# Altium PCB PCB4.PcbDoc (continued)
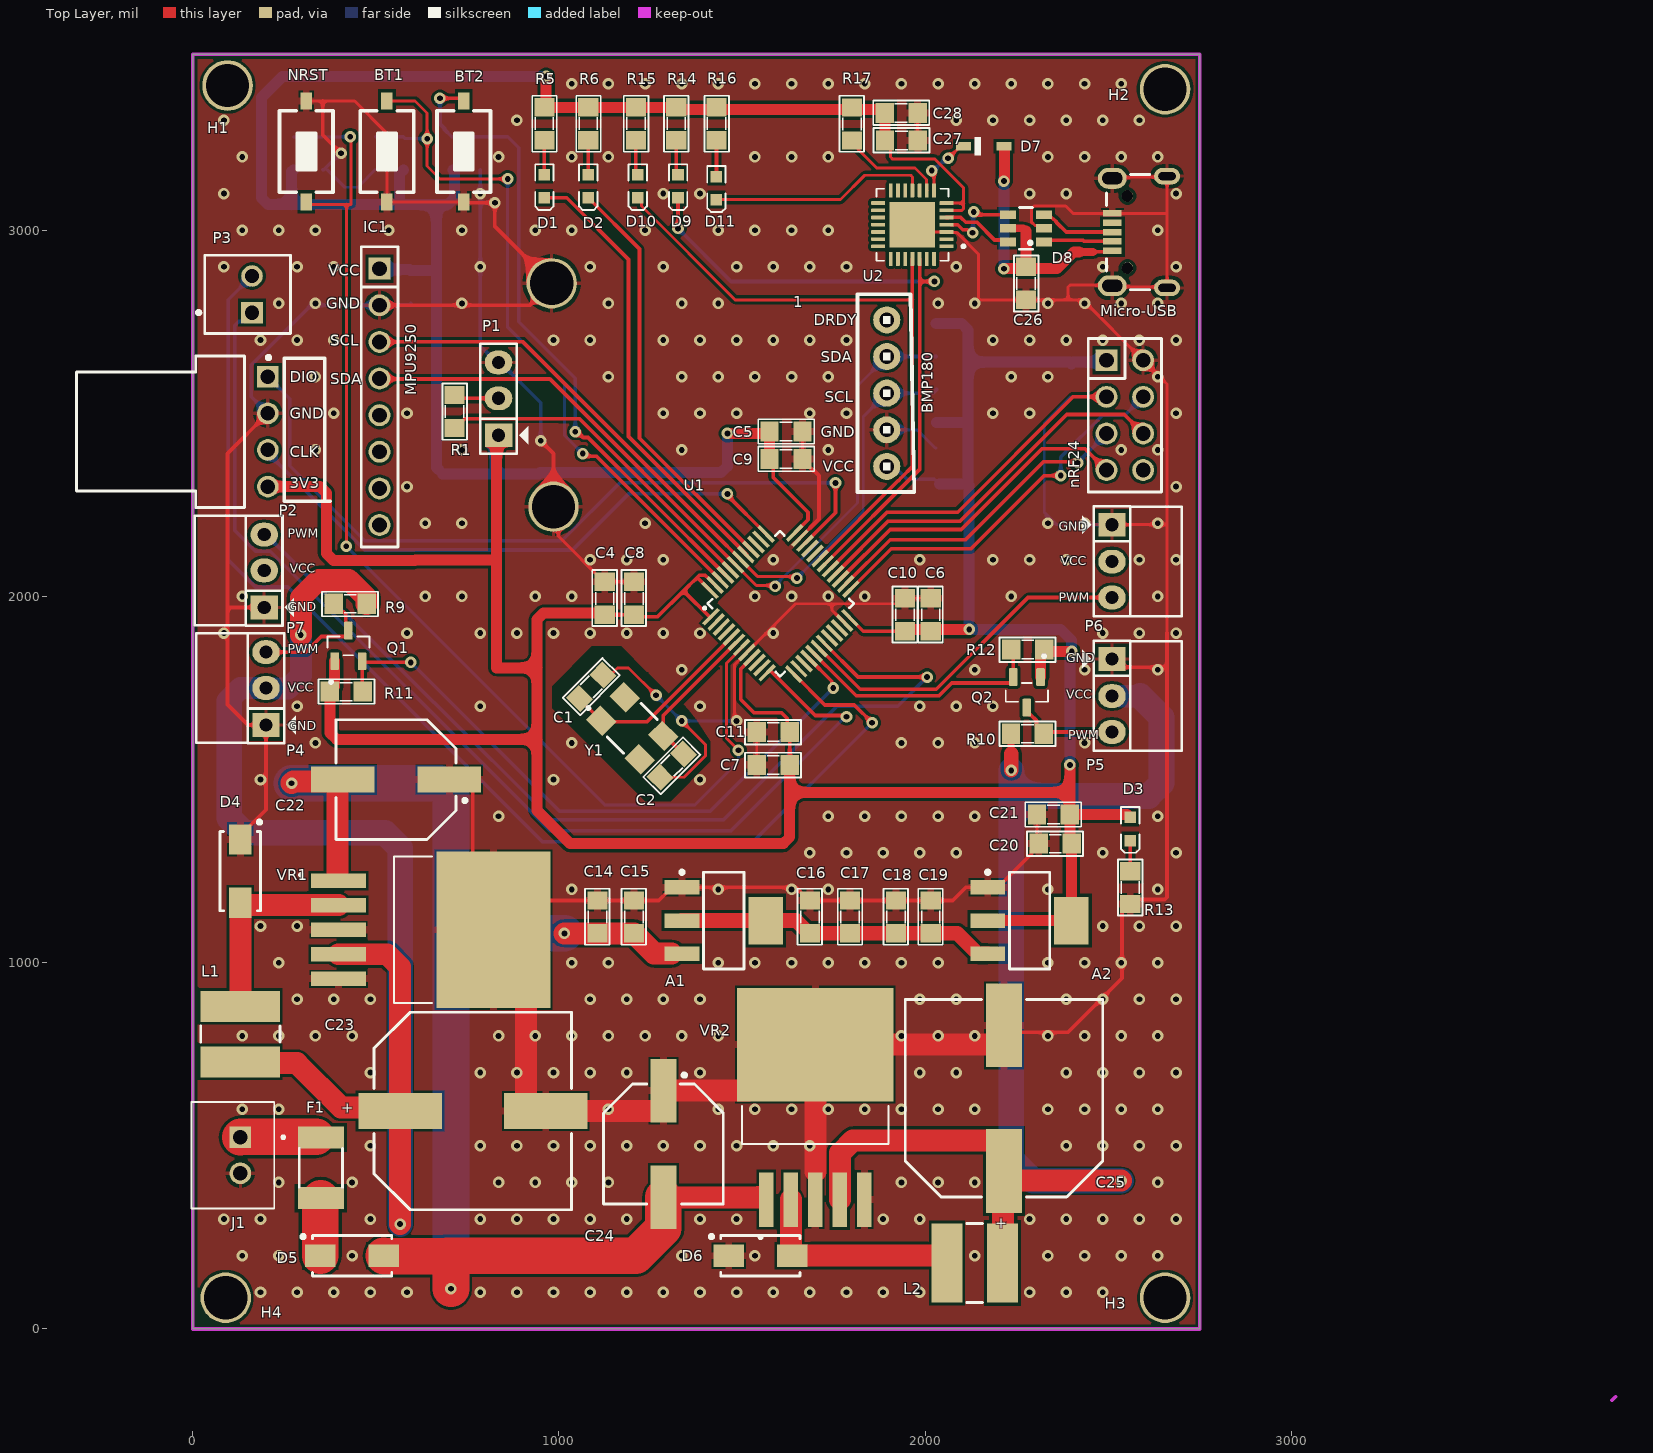
[diagram p0: Top Layer view]
## Part data
1: "HMC5883L HMC Magnetic, Digital Compass Sensor Evaluation Board", Package="LCC-16 Honeywell", Availability=Unavailable, MF="Honeywell Aerospace", MP=HMC5883L, Price=None, SnapEDA_Link=https://www.snapeda.com/parts/HMC5883L/Honeywell%20Aerospace/view-part/106081/?ref=snap
A1 A2: "Available in 1.8V, 2.5V, 2.85V, 3.3V, 5V, and  Adjustable Versions"
BT1 BT2 NRST: "Switch button 2 pin"
C1 C2 C3 C4 C5 C6 C7 C8 C9 C10 C11 C12 C13 C14 C15 C16 C17 C18 C19 C20 C21 C26 C27 C28 C29 C30 C31: "Capacitor"
C22 C24: "Polarized Capacitor (Radial)"
C23 C25: library part 865080462016, "WCAP-ASLI Aluminum Electrolytic Capacitor, V-Chip, D12.5 x H14mm, 1000uF, 25V", Capacitance Tolerance=+/-20%, Leakage Current=250uA, Manufacturer="Wurth Elektronik", Operating Temperature Max=105°C, Operating Temperature Min=-55°C, Rated Voltage (DC)=25V, Ripple Current=1100mA, Capacitance=1000uF, Category="Aluminum Electrolytic Capacitors", ComponentLink1Description="Website Link", ComponentLink1URL=https://www.we-online.com/redexpert/article/865080462016?ad, ComponentLink2Description="Datasheet Link", ComponentLink2URL=https://www.we-online.com/redexpert/spec/865080462016?ad, Diameter=12.5mm, Dissipation Factor=14%, Endurance=5000h, Height=14mm, Manufacturer Part Number=865080462016, Match Code=WCAP-ASLI, Mount="Surface Mount", Packaging="Tape and Reel", Technical Reference=ASEH140102M025DVCTGE000
D1 D2 D3 D9 D10 D11: "LED"
D4 D5 D6: "Schottky Diode", Code_JEDEC=DO-214-AA, LatestRevisionDate=17-Jul-2002, LatestRevisionNote="Re-released for DXP Platform.", PackageDescription="DO-214-AA/SMB; 2 C-Bend Leads; Body 5.3 x 3.6 mm, inc. leads (LxW)", PackageReference=SMB, Published=8-Jun-2000, Publisher="Altium Limited"
D7: "Diode Standard 75V 300mA (DC) Surface Mount SOD-323", Package="SOD-323FL-2 ON Semiconductor", Availability="In Stock", MF="ON Semiconductor", MP=1N4148WS, Price=None, Purchase-URL=https://pricing.snapeda.com/search/part/1N4148WS/?ref=eda
D8: library part 824001, "WE-TVS TVS Diode - High Speed Series, SOT23-6L, 4+1Channel, 5Vdc", Channel Input Capacitance=1pF, DC Operating Voltage=5V, Manufacturer="Wurth Elektronik", Operating Temperature="-40 to +125degC", Reverse Breakdown Voltage min.=6.2V, Reverse Channel Leakage Current=5uA, Reverse Peak Pulse Current=5A, Channel=4+1, ComponentLink1Description=Manufacturer, ComponentLink1URL=http://www.we-online.de, ComponentLink2Description=Datasheet, ComponentLink2URL=https://www.we-online.com/catalog/datasheet/824001.pdf, Manufacturer Part Number=824001, Mounting Technology=SMT, Packaging="Tape and Reel", Published Date="April 2020", Size=SOT23-6L
H1 H2 H3 H4: "Hole 3mm"
IC1: library part "IMU MPU6050", "GY-521 6DOF IMU MPU6050 / TECHMT.VN", WEB=TECHMT.VN
J1: "Connector Header Through Hole 2 position 0.098 (2.50mm)", Package=None, Availability="In Stock", MF="JST Sales", MP=B2B-XH-A(LF)(SN), Price=None, Purchase-URL=https://pricing.snapeda.com/search/part/B2B-XH-A(LF)(SN)/?ref=eda
L1 L2: library part 784774033, "WE-PD2A SMT Power Inductor, size 5848, 3.3uH, 3.7A", DC Resistance max.=0.06Ohm, DC Resistance typ.=0.042Ohm, Inductance=3.3uH, Manufacturer="Wurth Elektronik", Operating Temperature="-40 to +125degC", Rated Current=3.7A, Rated Voltage=80VDC, Saturation Current=7.5A, Self Resonant Frequency=43MHz, ComponentLink1Description=Manufacturer, ComponentLink1URL=http://www.we-online.de, ComponentLink2Description=Datasheet, ComponentLink2URL=https://www.we-online.com/catalog/datasheet/784774033.pdf, Manufacturer Part Number=784774033, Mounting Technology=SMT, Packaging="Tape and Reel", Published Date="May 2020", Size=5848
Micro-USB: "Micro USB 2.0 Type B Receptacle WR-COM, Horizontal, SMT, with Pegs, High Current at Pin 1 & Pin 5", Contact Resistance="30 mOhm", Operating Temperature="-40 to 85 degC", Rated Current="3 A", Working Voltage="30 VAC", ComponentLink1Description=Manufacturer, ComponentLink1URL=http://www.we-online.de, ComponentLink2Description=Datasheet, ComponentLink2URL=https://katalog.we-online.de/em/datasheet/629105150521.pdf, Connector Type="Micro USB 2.0 Type B", Gender=Receptacle, Mounting Technology=SMT, Orientation=Horizontal, Packaging="Tape and Reel", Part Number=629105150521, Published Date="September 2018", Publisher="Wurth Elektronik"
P1: "Header, 3-Pin", LatestRevisionDate=17-Jul-2002, LatestRevisionNote="Re-released for DXP Platform.", Publisher="Altium Limited"
P2: "WR-WTB THT Male Left Angled Bottom Locking Header, pitch 2.54mm, 4p", Contact Resistance=20mOhm, Operating Temperature="-40 to +105degC", Rated Current=3A, Withstanding Voltage=1000VAC, Working Voltage=250VAC, ComponentLink1Description=Manufacturer, ComponentLink1URL=http://www.we-online.de, ComponentLink2Description=Datasheet, ComponentLink2URL=https://www.we-online.com/catalog/datasheet/61900411021.pdf, Gender=Male, Mounting Technology=THT, Packaging=Bag, Part Number=61900411021, Pin Number=4, Pitch=2.54mm, Published Date="January 2020", Publisher="Wurth Elektronik", Type="Right Angled Bottom Locking"
P3: "WR-WTB THT Male Vertical Locking Header, pitch 2.54mm, 2p", Contact Resistance=20mOhm, Operating Temperature="-40 to +105degC", Rated Current=3A, Withstanding Voltage=1000VAC, Working Voltage=250VAC, ComponentLink1Description=Manufacturer, ComponentLink1URL=http://www.we-online.de, ComponentLink2Description=Datasheet, ComponentLink2URL=https://www.we-online.com/catalog/datasheet/61900211121.pdf, Gender=Male, Mounting Technology=THT, Packaging=Bag, Part Number=61900211121, Pin Number=2, Pitch=2.54mm, Published Date="January 2020", Publisher="Wurth Elektronik", Type=Vertical
P4 P5 P6 P7: "Header, 3-Pin, Right Angle", LatestRevisionDate=17-Jul-2002, LatestRevisionNote="Re-released for DXP Platform.", Publisher="Altium Limited"
Q1 Q2: "N-Channel 60V 280mA (Ta) 350mW (Ta) Surface Mount SOT-23-3 (TO-236)", Package=None, Availability=Unavailable, MP=altium_native_batch, Price=None
R1 R2 R3 R4 R5 R6 R7 R8 R9 R10 R11 R12 R13 R14 R15 R16 R17: "Resistor"
U1: "ARM Microcontrollers - MCU 32BIT Cortex M3 64KB 20KB RAM 2X12 ADC", Manufacturer=STMicroelectronics, Maximum Clock Frequency="72 MHz", Maximum Operating Temperature="+ 85 C", Minimum Operating Temperature="- 40 C", Package / Case=LQFP-48, Supply Voltage - Max="3.6 V", Supply Voltage - Min="2 V", ADC Resolution="12 bit", ComponentLink1Description=Datasheet, ComponentLink1URL=https://www.mouser.vn/datasheet/2/389/stm32f103c8-1851025.pdf, Core="ARM Cortex M3", Data Bus Width="32 bit", Data RAM Size="20 kB", Data RAM Type=SRAM, Interface Type="CAN, I2C, SPI, USART, USB", Length="7 mm", Mounting Style=SMD/SMT, Number of ADC Channels="10 Channel", Number of I/Os="37 I/O", Number of Timers/Counters="3 Timer", Processor Series="ARM Cortex M", Product Category="ARM Microcontrollers - MCU", Program Memory Size="64 kB", Series=STM32F103C8
U2: "CP2102N USB 2.0 to UART (RS232) Bridge Interface Evaluation Board", Package="WFQFN-20 Silicon Labs", Availability="In Stock", Check_prices=https://www.snapeda.com/parts/CP2102/Silicon+Labs/view-part/?ref=eda, MF="Silicon Labs", MP=CP2102, Price=None, Purchase-URL=https://pricing.snapeda.com/search/part/CP2102/?ref=eda, SnapEDA_Link=https://www.snapeda.com/parts/CP2102/Silicon+Labs/view-part/?ref=snap
VR1 VR2: library part LM2596S-5.0, "SIMPLE SWITCHER&reg; 4.5V to 40V, 3A Low Component Count Step-Down Regulator", Package="TO-263-5 Texas Instruments", Availability="In Stock", Check_prices=https://www.snapeda.com/parts/LM2596S-5.0/NOPB/Texas+Instruments/view-part/?ref=eda, MF="Texas Instruments", MP=LM2596S-5.0/NOPB, Price=None, Purchase-URL=https://pricing.snapeda.com/search/part/LM2596S-5.0/NOPB/?ref=eda, SnapEDA_Link=https://www.snapeda.com/parts/LM2596S-5.0/NOPB/Texas+Instruments/view-part/?ref=snap
Y1: library part 830106162701, "WE-XTAL Quartz Crystal, SMT, CFPX-104, 8MHz, +/-20ppm", Frequency Stability=+/-30ppm, Frequency Tolerance=+/-20ppm, Load Capacitance=16pF, Manufacturer="Wurth Elektronik", Operating Temperature="-40 to +85degC", ComponentLink1Description=Manufacturer, ComponentLink1URL=http://www.we-online.de, ComponentLink2Description=Datasheet, ComponentLink2URL=https://www.we-online.com/catalog/datasheet/830106162701.pdf, Frequency=8MHz, Manufacturer Part Number=830106162701, Mounting Technology=SMT, Packaging="Tape and Reel", Published Date="November 2020", Size=CFPX-104

## Via types
v1: diameter 31.5, hole 15.75, Top Layer to Bottom Layer, tented both sides, 400 vias

## Nets (pads, with @x,y where several pads share a name; then routed paths per layer and width w, separated by ;. In a path a pad name is that pad's centre, name@x,y a point inside that pad or via, vN(x,y) a via of type N, cw(c..) or ccw(c..) an arc to the next point about the centre after c; other vN are vias at no path point)
D_N: D8.6 U2.5 | length 195.5
  Top Layer w10: U2.5 2062.74,3034.69 2063.06,3035 2097.15,3035 2110.77,3021.38 2141.19,3021.38 2189.13,2973.43 2219.95,2973.43 D8.6
D_P: D8.4 U2.4 | length 222.2
  Top Layer w10: U2.4@2071.34,3015 2088.86,3015 2102.49,3001.38 2114.74,3001.38 2123.37,2992.76 v1(2129.18,2992.76) ; v1(2132.27,3050) 2138.09,3050 2145.69,3042.4 D8.4
  Bottom Layer w10: v1(2129.18,2992.76) 2130.73,2994.3 2130.73,3048.45 v1(2132.27,3050)
GND: 1.2 A1.1 A2.1 BT1.1 BT2.1 C1.1 C2.1 C3.1 C4.1 C5.1 C6.1 C7.1 C8.1 C9.1 C10.1 C11.1 C12.1 C13.1 C14.1 C15.1 C16.1 C17.1 C18.1 C19.1 C20.1 C21.1 C22.1 C23.2 C24.1 C25.2 C26.1 C27.1 C28.1 C29.1 C30.1 C31.1 D4.1 D6.1 D8.2 IC1.2 J1.2 Micro-USB.5 Micro-USB.Shell nRF24.8 NRST.1 P1.3 P2.2 P4.1 P5.1 P6.1 P7.1 R13.2 U1.8 U1.23 U1.35 U2.3 U2.29 VR1.3 VR1.5 VR1.6 VR2.3 VR2.5 VR2.6 | length 17262.6
  Top Layer w8: NRST.1 355,3352.8 442.2,3352.8 530,3265 BT1.1 BT2.1 ; IC1.2@985,2245 998.4,2231.6 998.4,2164.1 1122.5,2040 C4.1 ; C1.1 1140,1785 1160,1805 1190,1805 v1(1265,1730) ; C2.1 1278.13,1504.59 1307.83,1504.59 1309.59,1506.36 1341.36,1506.36 1400,1565 1400,1595 v1(1335,1660) ; v1(1485,1660) 1485,1666.36 1479.25,1672.11 1479.25,1813.57 1645.68,1980 1745,1980 ; C7.1 C11.1 ; C5.1@1655,2445 C5.1@1665,2455 ; C9.1 C5.1 ; U1.23 1745,1962.99 1745,1980 ; U2.29 1984.69,2995.31 U2.3 2059.43,2994.2 2085.8,2994.2 2145,2935 2145,2814.69 2149.69,2810 C26.1 2390,2810 ; C28.1 1979.2,3245.8 C27.1 ; C6.1 C10.1 1930,1980 1745,1980 ; C21.1 2305,1330 C20.1 ; D8.2 2316.4,3012.81 2299.69,3012.81 2290.69,3021.81 2290.69,3059.13 2297.64,3066.09 2383.49,3066.09 2403.39,3046.18 Micro-USB.5 2657.72,3046.18 ; P5.1 2515,1829 P5.1@2528.6,1842.6 ; P6.1 2659,2196 2660,2195 ; Micro-USB.Shell@2510.83,3141.65 2513.78,3144.61 2657.48,3144.61 2660.43,3147.56 2660.43,2842.44 2657.48,2845.39 2513.78,2845.39 2510.83,2848.35 2509.17,2850 2395,2850 2390,2845 2390,2810 ; 2660,1900 2660,2195 ; 2390,2810 2430,2810 nRF24.8 2660,2580 2660,2195
  Top Layer w10: D4.1 130,1347.44 200,1417.44 P4.1 151,1649 95,1705 95,1963.24 ; P7.1 101.76,1970 95,1963.24 ; P2.2 95,2390 95,1963.24 ; 355,3352.8 355,3260 v1(405,3210) ; IC1.2@505,2795 510,2795 920,2795 980,2855 825,3010 v1(825,3075) 742.2,3075 BT2.1 ; C22.1 734.57,1500 765,1469.57 765,1146.26 VR1.6 901.26,1170 C14.1 C15.1 1272.72,1170 1308.27,1205.55 A1.1 1646.95,1205.55 1682.5,1170 C16.1 C17.1 C18.1 C19.1 2075,1170 2110.55,1205.55 A2.1 2198.39,1205.55 2290,1297.17 2290,1305 C20.1 ; v1(950,2425) 985,2390 IC1.2@985,2245 ; C4.1 C8.1 ; U1.35 1710,2211.36 1710,2330 1697.5,2342.5 1695,2342.5 1665,2372.5 C9.1 ; C25.2 2233.82,810 2390,810 2537.5,957.5 2537.5,1140 2557.5,1160 R13.2 2572.5,1172.5 2654.14,1172.5 2660,1178.36 2660,1807.05 ; P5.1@2528.6,1842.6 2528.6,1820.95 2542.5,1807.05 2660,1807.05 ; 2660,1900 2660,1807.05
  Top Layer w60: VR1.6 910,1001.26 910,614.21 929.21,595 C23.2 1279.57,595 1285,600.43 C24.1 1516.14,650.67 1641.73,776.26 VR2.6 ; 1700,430 VR2.6 ; C25.2 2215,795.47 2195.79,776.26 VR2.6
  Bottom Layer w8: C3.1@365,3165 367.5,3165 415.12,3117.38 451.44,3117.38 476.5,3142.44 476.5,3144 497.5,3165 C13.1 ; v1(1265,1730) v1(1335,1660) v1(1485,1660) ; 1.2 1977.5,2455 2027.5,2405 C31.1 ; C30.1 2397.5,2545 2325,2472.5 2325,2230 2359,2196 P6.1
  Bottom Layer w10: P2.2 160,2545 160,2632.26 322.74,2795 510,2795 590,2795 C29.1 ; C3.1 357.5,3165 402.5,3210 v1(405,3210) ; C12.1 785,3075 ; v1(825,3075) 785,3075 ; v1(950,2425) 950,2529 840,2639 P1.3 830,2639 785,2684 785,3075
  other v1: 185,100 285,100 385,100 485,100 585,100 785,100 885,100 985,100 1085,100 1185,100 1285,100 1385,100 1485,100 1585,100 1685,100 1785,100 1885,100 1985,100 2285,100 2385,100 2485,100 135,200 235,200 435,200 1335,200 1535,200 2135,200 2335,200 2435,200 2535,200 2635,200 85,300 185,300 485,300 785,300 885,300 985,300 1085,300 1185,300 1385,300 1485,300 1885,300 1985,300 2285,300 2385,300 2485,300 2585,300 2685,300 235,400 435,400 835,400 935,400 1035,400 1135,400 1935,400 2035,400 2135,400 2635,400 485,500 785,500 885,500 985,500 1085,500 1185,500 1285,500 1385,500 1485,500 1585,500 1685,500 2385,500 2485,500 2585,500 2685,500 135,600 235,600 1135,600 1435,600 1535,600 1635,600 1735,600 1835,600 1935,600 2035,600 2135,600 2335,600 2435,600 2535,600 2635,600 485,700 785,700 885,700 985,700 1085,700 1185,700 1385,700 1985,700 2085,700 2385,700 2485,700 2585,700 2685,700 135,800 235,800 335,800 435,800 835,800 935,800 1035,800 1135,800 1235,800 1335,800 1435,800 1935,800 2035,800 2135,800 2335,800 2435,800 2535,800 2635,800 285,900 385,900 485,900 1085,900 1185,900 1285,900 1385,900 1985,900 2085,900 2385,900 2485,900 2585,900 2685,900 235,1000 1035,1000 1135,1000 1435,1000 1535,1000 1635,1000 1735,1000 1835,1000 1935,1000 2035,1000 2335,1000 2435,1000 2535,1000 2635,1000 185,1100 285,1100 2485,1100 2585,1100 2685,1100 1035,1200 1435,1200 1635,1200 1735,1200 2335,1200 2635,1200 1685,1300 1785,1300 1885,1300 1985,1300 2085,1300 2485,1300 2685,1300 835,1400 1735,1400 1835,1400 1935,1400 2035,1400 2135,1400 2635,1400 185,1500 985,1500 1385,1500 335,1600 1035,1600 1935,1600 2035,1600 2135,1600 2435,1600 285,1700 785,1700 1385,1700 1985,1700 2085,1700 2185,1700 1335,1800 2135,1800 2435,1800 2635,1800 85,1900 585,1900 785,1900 885,1900 985,1900 1085,1900 1185,1900 1285,1900 1385,1900 1585,1900 2485,1900 2585,1900 2685,1900 135,2000 635,2000 735,2000 935,2000 1035,2000 1535,2000 1635,2000 1735,2000 1835,2000 2235,2000 2635,2000 1085,2100 1185,2100 1285,2100 1585,2100 1985,2100 2185,2100 2285,2100 2385,2100 2585,2100 2685,2100 635,2200 735,2200 1235,2200 2335,2200 2435,2200 2635,2200 585,2300 2685,2300 335,2400 735,2400 1335,2400 1735,2400 2535,2400 2635,2400 385,2500 585,2500 1285,2500 1385,2500 1485,2500 1685,2500 1785,2500 2185,2500 2285,2500 2685,2500 335,2600 1135,2600 1335,2600 1435,2600 1535,2600 1635,2600 1735,2600 2235,2600 2335,2600 2635,2600 185,2700 285,2700 385,2700 985,2700 1085,2700 1285,2700 1385,2700 1485,2700 1585,2700 1685,2700 1785,2700 2185,2700 2285,2700 2385,2700 2485,2700 2585,2700 2685,2700 235,2800 335,2800 735,2800 1135,2800 1335,2800 1435,2800 2035,2800 2135,2800 2335,2800 2435,2800 2535,2800 2635,2800 85,2900 285,2900 385,2900 785,2900 1085,2900 1285,2900 1485,2900 1585,2900 1685,2900 1785,2900 2085,2900 2485,2900 2685,2900 135,3000 235,3000 335,3000 535,3000 735,3000 935,3000 1035,3000 1235,3000 1435,3000 1535,3000 1635,3000 1735,3000 2635,3000 85,3100 785,3100 1285,3100 1385,3100 2285,3100 2385,3100 2685,3100 135,3200 835,3200 1035,3200 1135,3200 1535,3200 1635,3200 1735,3200 2335,3200 2435,3200 2535,3200 2635,3200 85,3300 885,3300 2085,3300 2185,3300 2285,3300 2385,3300 2485,3300 2585,3300 1035,3400 1135,3400 1235,3400 1335,3400 1435,3400 1535,3400 1635,3400 1735,3400 1835,3400 1935,3400 2035,3400 2135,3400 2235,3400 2335,3400 2435,3400 2535,3400
LIPO_3S: F1.1 J1.1 | length 207.5
  Top Layer w100: J1.1 131.57,525 F1.1@336.81,525
Net1_3: 1.3 IC1.3 R4.2 U1.42 | length 2153.2
  Top Layer w8: U1.42 1541.63,2055 1604.06,2055 1604.57,2054.5 1645.31,2054.5 v1(1649.57,2050.23)
  Top Layer w10: IC1.3 901.63,2695 1424.5,2172.13 U1.42
  Bottom Layer w8: v1(1649.57,2050.23) 1830.87,2231.54 1830.87,2490.87 1.3
  Bottom Layer w10: 1.3 2021,2555 R4.2
Net1_4: 1.4 IC1.4 R3.2 U1.43 | length 2204.1
  Top Layer w8: U1.43 1538.79,2030 1587.38,2030 v1(1590,2027.38)
  Top Layer w10: IC1.4 511.37,2593.63 975.17,2593.63 U1.43
  Bottom Layer w8: v1(1590,2027.38) 1590,2030 1815,2255 1815,2575 1.4
  Bottom Layer w10: 1.4 R3.2
NetC1_2: C1.2 U1.5 Y1.1 | length 537.6
  Top Layer w10: C1.2 1056.36,1719.61 Y1.1 1117.88,1658.1 1240.26,1658.1 U1.5
NetC2_2: C2.2 U1.6 Y1.3 | length 416.5
  Top Layer w10: C2.2 1290.88,1619.12 Y1.3 1284.91,1651.02 1282.12,1653.81 1284.91,1656.59 1284.91,1674.91 1384.37,1774.37 U1.6
NetC3_2: C3.2 NRST.2 R2.2 U1.7 | length 3154.8
  Top Layer w8: NRST.2 316.61,3070.59 420,3070.59 ; v1(419.37,2136.87) 420,2137.5 420,3070.59 ; v1(430,3255) 432.62,3252.38 432.62,3070.59 420,3070.59 ; v1(1490,1580) 1457.38,1612.62 1457.38,1817.68 1498.92,1859.22 U1.7
  Bottom Layer w8: R2.2 v1(430,3255) ; v1(419.37,2136.87) 1126.24,1430 1370,1430 1490,1550 v1(1490,1580)
NetC12_2: BT2.2 C12.2 R7.2 U1.45 | length 1795.1
  Top Layer w10: v1(675,3360) 732.8,3360 BT2.2 ; v1(1044.53,2449.53) 1050.35,2449.53 1066.1,2433.78 1079.33,2433.78 1254.44,2258.68 U1.45
  Bottom Layer w10: v1(675,3360) 675,3290 687.5,3277.5 687.5,3275 707.5,3255 R7.2 C12.2 ; C12.2@787.5,3255 C12.2 ; v1(1044.53,2449.53) 1044.53,2595.47 890,2750 890,3225 860,3255 C12.2
NetC13_2: BT1.2 C13.2 R8.2 U1.46 | length 1998.5
  Top Layer w8: BT1.2 607.2,3352.8 640,3320 v1(640,3250) 640,3175 675,3140 v1(860,3140)
  Top Layer w10: v1(1065,2390) 1072.65,2382.35 1102.93,2382.35 U1.46
  Bottom Layer w8: R8.2 580,3250 v1(640,3250) ; v1(860,3140) 860,2735 1015,2580 1015,2440 v1(1065,2390)
  Bottom Layer w10: C13.2 R8.2
NetD1_1: D1.1 R5.1 | length 74.5
  Top Layer w10: D1.1 R5.1@960,3225 ; R5.1@960,3245 R5.1
NetD1_2: D1.2 U1.41 | length 1240.9
  Top Layer w10: D1.2 1021.5,3088.5 1190,2920 1190,2436.59 1512.17,2114.41 U1.41
NetD2_1: D2.1 R6.1 | length 94.5
  Top Layer w10: D2.1 R6.1
NetD2_2: D2.2 U1.40 | length 1144.1
  Top Layer w10: D2.2 1220,2948.5 1220,2432.31 U1.40
NetD3_2: D3.2 R13.1 | length 83.5
  Top Layer w10: R13.1 D3.2
NetD4_2: D4.2 L1.1 VR1.2 | length 550.8
  Top Layer w60: L1.1 D4.2@130,1157.44 ; D4.2 D4.2@130,1157.44 ; VR1.2 130.51,1156.93 D4.2@130,1157.44
NetD5_1: D5.1 F1.2 | length 158
  Top Layer w100: D5.1 348.39,355.71 F1.2
NetD6_2: D6.2 L2.1 VR2.2 | length 591.7
  Top Layer w60: VR2.2 1633.07,200.51 1633.58,200 D6.2 2046.89,200 2059.21,187.68 L2.1
NetD8_1: D8.1 Micro-USB.2 | length 182.7
  Top Layer w10: D8.1@2331.02,2969.41 2334.49,2972.87 2431.55,2972.87 2435.01,2969.41 Micro-USB.2
NetD8_3: D8.3 Micro-USB.3 | length 208.3
  Top Layer w10: D8.3@2321.68,3040 2326.09,3035.59 2344.41,3035.59 2350.31,3029.69 2351.2,3029.69 2358.74,3022.14 2358.74,3021.26 2385,2995 Micro-USB.3
NetD9_1: D9.1 R14.1 | length 75.6
  Top Layer w10: R14.1@1320,3225 1320,3156.5 D9.1
NetD10_1: D10.1 R15.1 | length 96.6
  Top Layer w10: R15.1 1210,3156.5 D10.1
NetD11_1: D11.1 R16.1 | length 99.5
  Top Layer w10: D11.1 R16.1
NetM1_2: nRF24.2 U1.29 | length 948.4
  Top Layer w10: U1.29 1871.43,2205.75 1895.68,2230 2088.56,2230 2403.56,2545 nRF24.2
NetM1_3: nRF24.3 U1.26 | length 885.5
  Top Layer w10: U1.26 1904.19,2155 2110,2155 2322.87,2367.87 2413.22,2367.87 v1(2416.09,2365)
  Bottom Layer w10: v1(2416.09,2365) 2416.09,2365.55 2495,2444.45 nRF24.3
NetM1_4: nRF24.4 U1.27 | length 897.2
  Top Layer w10: U1.27 1904.23,2182.87 2098.15,2182.87 2318.15,2402.87 2437.13,2402.87 nRF24.4
NetM1_6: nRF24.6 U1.28 | length 1041.6
  Top Layer w10: U1.28 1898.52,2205 2095,2205 2386.6,2496.6 2543.4,2496.6 nRF24.6
NetM1_7: nRF24.7 U1.25 | length 1045.4
  Top Layer w10: U1.25 1907.03,2130 2125,2130 2325,2330 v1(2370,2330)
  Bottom Layer w10: v1(2370,2330) 2370,2380.52 2484.48,2495 2545,2495 nRF24.7
NetP1_2: P1.2 R1.2 | length 123.7
  Top Layer w10: R1.2 724,2541 P1.2
NetP2_1: P2.1 U1.34 | length 2107.6
  Top Layer w10: U1.34 1755,2228.52 v1(1755,2310)
  Bottom Layer w10: P2.1 265,2540 265,2357 469.79,2152.2 1007.85,2152.2 1165.64,2310 v1(1755,2310)
NetP2_3: P2.3 U1.37 | length 1590.1
  Top Layer w10: v1(1460,2280) 1460,2275.82 U1.37
  Bottom Layer w10: P2.3 205,2391.72 469.85,2126.87 1036.87,2126.87 1190,2280 v1(1460,2280)
NetP3_1: P3.1 U1.12 | length 3032.3
  Top Layer w10: U1.12 1575.79,1798.76 1576.24,1798.76 1700,1675 1781.38,1675 v1(1785,1671.38)
  Bottom Layer w10: P3.1 137.58,2750.77 125.77,2750.77 115,2740 115,2179.83 171.21,2123.63 211.54,2123.63 975.17,1360 1470,1360 1781.38,1671.38 v1(1785,1671.38)
NetP3_2: P3.2 U1.13 | length 3282.9
  Top Layer w10: U1.13 1725.98,1703.62 1806.38,1703.62 v1(1855,1655)
  Bottom Layer w10: P3.2 97.13,2810.31 97.13,2099.71 171.21,2025.63 259.37,2025.63 955,1330 1530,1330 v1(1855,1655)
NetP4_3: P4.3 Q1.3 R9.1 | length 349
  Top Layer w10: P4.3 308.63,1848 351.11,1890.47 418.19,1890.47 425,1897.28 Q1.3 418.19,1913.54 418.19,1951.64 412.33,1957.5 405,1957.5 385,1977.5 R9.1
NetP5_3: P5.3 Q2.3 R10.1 | length 275.3
  Top Layer w10: Q2.3 2277.4,1684.13 2284.21,1677.32 2287.68,1677.32 2304,1661 2304,1647.5 2321.5,1630 P5.3
NetP6_3: P6.3 U1.18 | length 949.6
  Top Layer w10: U1.18 1756.79,1812 1822.28,1746.51 2030.07,1746.51 2280.56,1997 P6.3
NetP7_3: P7.3 U1.19 | length 2613
  Top Layer w10: U1.19 1816.63,1780 v1(2005,1780)
  Bottom Layer w10: P7.3 200,2169 659,1710 660,1710 980,1390 1449.14,1390 1759.14,1700 1925,1700 v1(2005,1780)
NetQ1_2: Q1.2 R11.1 U1.16 | length 1808.9
  Top Layer w10: R11.1 462.4,1741.6 Q1.2 465.67,1820 v1(595,1820) ; R11.1@465,1730 475,1740 R11.1@469.8,1745.2 ; U1.16 1744.52,1768.6 1744.52,1754.11 v1(1748.63,1750)
  Bottom Layer w10: v1(595,1820) 1001.87,1413.13 1411.76,1413.13 v1(1748.63,1750)
NetQ2_2: Q2.2 R12.1 U1.17 | length 716
  Top Layer w10: U1.17 1696.58,1843.93 1716.21,1824.29 1716.21,1823.79 1745.87,1794.13 1811.36,1728.64 2037.48,1728.64 2072.58,1763.74 2233.19,1763.74 2240,1770.55 Q2.2 2240,1850 R12.1 R12.1@2249.25,1869.25
NetR1_1: R1.1 U1.44 | length 934.8
  Top Layer w10: R1.1 717.5,2460 742.87,2485.37 999.63,2485.37 1000,2485 1055.95,2485 1272.31,2268.64 U1.44
NetU1_20: U1.20
NSUSPEND: D11.2 U2.11 | length 601.5
  Top Layer w8: D11.2 1768.5,3083.5 1835,3150 1960.31,3150 1965,3145.31 U2.11
RESET: R17.2 U2.9 | length 271.5
  Top Layer w8: R17.2@1802.5,3235 1867.5,3170 1971.87,3170 2003.25,3138.62 2003.25,3109.43 U2.9
RXD: D10.2 U1.31 U2.25 | length 1795.4
  Top Layer w8: D10.2 1224.95,3078.55 1224.95,3065.99 1480.94,2810 1965,2810
  Top Layer w10: U1.31 1925.67,2315.67 ccw(c1895,2355) 1934.33,2324.33 1965,2355 1965,2810 U2.25
SERVO1_5V: C23.1 L1.2 P4.2 R9.2 VR1.4 | length 3904.2
  Top Layer w60: L1.2 133.54,725.67 284.33,725.67 405.26,604.74 556.44,604.74 C23.1 ; v1(295,1895) 295,1996.06 344.31,2045.37 360.13,2045.37 425.69,2045.37 475,1996.06 R9.2 ; VR1.4 531.03,1023.07 566.18,987.92 C23.1 ; v1(566.18,286.18) C23.1
  Bottom Layer w60: 95,1714.85 130.15,1750 P4.2@206.35,1750 ; P4.2 200.96,1749.04 209.49,1749.04 210.15,1748.39 259.85,1748.39 295,1783.54 v1(295,1895)
  Bottom Layer w70: 100,1709.85 100,1395 140,1355 525.18,1355 566.18,1313.99 v1(566.18,286.18)
SERVO2_5V: C25.1 L2.2 P5.2 R10.2 VR2.4 | length 3493.3
  Top Layer w8: R10.2 R10.2@2235,1624
  Top Layer w20: R10.2 2234,1571 2235,1570
  Top Layer w40: v1(2235,1525) 2235,1570
  Top Layer w60: VR2.4 1767.87,353.98 1767.87,479.85 1803.02,515 2195.79,515 2215,495.79 C25.1 C25.1@2215,424.21 ; L2.2 2212.89,182.11 2212.89,419.07 2215,421.18 C25.1@2215,424.21 ; v1(2535,405) 2234.21,405 C25.1@2215,424.21
  Bottom Layer w60: P5.2 2587,1728
  Bottom Layer w70: v1(2235,1525) 2235,1455 ; v1(2535,405) 2293.58,405 2235,463.58 2235,1455 ; 2587,1728 2645,1670 2645,1490.15 2609.85,1455 2235,1455
TXD: D9.2 U1.30 U2.26 | length 1822.9
  Top Layer w10: v1(1325,3005) D9.2 ; U1.30 1984.69,2346.85 1984.69,2860 ; U2.26 1984.69,2860 ; v1(2025,2860) 1984.69,2860
  Bottom Layer w10: v1(1325,3005) 1470,2860 v1(2025,2860)
UART_5V: D7.C U2.8 | length 171.5
  Top Layer w8: v1(2017.97,3162.97) 2017.97,3156.61 2024.06,3150.52 U2.8 ; v1(2062.45,3196.61) 2063.48,3196.61 2096.02,3229.15 D7.C
  Bottom Layer w8: v1(2017.97,3162.97) 2023.39,3162.97 2057.03,3196.61 v1(2062.45,3196.61)
USB_5V: C26.2 D7.A D8.5 Micro-USB.1 | length 820.1
  Top Layer w10: D7.A 2215.86,3228.41 D7.A@2215.86,3218.31 ; C26.2@2260,2895 2270,2905 C26.2 C26.2@2280,2895 ; 2460.63,2940.63 2460.94,2940.94 2507.95,2940.94 Micro-USB.1
  Top Layer w20: D8.5 2267.97,3005 2275,2997.97 ; 2420,2940.63 2460.63,2940.63
  Top Layer w30: v1(2215,2895) C26.2@2260,2895 ; v1(2215,3134.15) 2215,3134.56 2215.86,3135.42 D7.A@2215.86,3218.31 ; C26.2 2275,2997.97 ; C26.2@2280,2895 2360,2895 2405.63,2940.63 2420,2940.63
  Bottom Layer w30: v1(2215,2895) v1(2215,3134.15) v1@2215,3145
VCC_3V3: 1.1 A2.2 A2.4 C4.2 C5.2 C6.2 C7.2 C8.2 C9.2 C10.2 C11.2 C20.2 C21.2 C27.2 C28.2 C29.2 C30.2 C31.2 D3.1 IC1.1 nRF24.1 P1.1 P2.4 Q1.1 Q2.1 R2.1 R3.1 R4.1 R5.2 R6.2 R7.1 R8.1 R11.2 R12.2 R14.2 R15.2 R16.2 R17.1 U1.1 U1.9 U1.24 U1.36 U1.47 U1.48 U2.6 U2.7 | length 15008.9
  Top Layer w8: C27.2 1905,3230 1905,3199.69 1909.69,3195 2025,3195 2105,3115 2105,3074.06 ; U2.6 2100.31,3054.37 2105,3059.06 2105,3074.06 ; U2.7 2105,3074.06
  Top Layer w10: R11.2 R11.2@387.6,1753.6 ; R5.2 R5.2@961,3335 ; C4.2 C8.2 1210,1945 1270,1945 1340,2015 ; R14.2@1319,3335 R14.2 R14.2@1326,3330 ; U1.48 1379.6,2050 1375,2050 ; U1.1 1413.13,1942.32 1412.68,1942.32 1340,2015 ; R16.2@1424,3330 R16.2 R16.2@1436,3330 ; U1.47 1409.42,2048.02 1408.97,2048.02 1398.77,2058.22 1383.22,2058.22 1375,2050 ; U1.9 1526.76,1832.8 1496.12,1802.16 1496.12,1718.88 1532.5,1682.5 1607.5,1682.5 1623.36,1666.64 1623.36,1636.64 C11.2 C7.2 ; C9.2 1585,2365 1585,2325 1680,2230 1680,2209.19 U1.36 ; U1.24 1830.82,1905 C10.2 ; R17.1@1795,3330 R17.1 ; R12.2@2314.8,1844.8 R12.2 R12.2@2330,1850 ; D3.1@2551.5,1405 D3.1 ; 1340,2015 1375,2050
  Top Layer w30: P2.4 347.43,2300 365,2282.43 365,2117.57 384.33,2098.25 606.29,2098.25 608.04,2100 830,2100 ; R11.2 375,1739 375,1627.57 392.57,1610 940,1610 ; R11.2@387.6,1753.6 Q1.1 ; P1.1 830,2435 830,2100 ; R5.2 964.71,3340.71 964.71,3419.71 v1(965,3420) ; R5.2@961,3335 R14.2@1319,3335 ; C4.2 1120,1955 957.57,1955 940,1937.43 940,1805 ; R14.2@1326,3330 R16.2@1424,3330 ; R16.2@1436,3330 R17.1@1795,3330 ; v1(1460,2445) 1460.29,2445.29 1565,2445.29 1572.26,2452.54 C5.2@1572.26,2457.55 ; C9.2 C5.2 ; C7.2 1630,1465 ; R17.1 1805,3330 1879.53,3330 1889.6,3319.93 1889.6,3245.4 C27.2 ; C10.2 1949.71,1909.71 2119.71,1909.71 v1(2120,1910) ; A2.2 A2.4 C20.2@2399.17,1324.17 ; Q2.1 R12.2@2314.8,1844.8 ; R12.2@2330,1850 v1(2400,1850) ; C20.2@2395,1330 C21.2 ; v1(2395,1540) 2395,1465 ; D3.1@2551.5,1405 C21.2 ; 830,2100 830,1805 940,1805 ; 940,1610 940,1805 ; 940,1610 940,1415 1030,1325 1612.43,1325 1630,1342.57 1630,1465 ; 1630,1465 2395,1465 ; C21.2 2395,1465
  Bottom Layer w10: 1.1 1912.32,2355 1929.09,2338.23 1931.77,2338.23 1950,2320 2025,2320 C31.2 C31.2@2038.56,2306.44
  Bottom Layer w30: R2.1 270,3160 270,3070 ; IC1.1 512.5,2892.5 592.5,2892.5 C29.2 657.43,2890 661.21,2886.21 ; 565,3082.57 565,3155 R8.1 ; R7.1 715,3160 715,3087.57 697.43,3070 665,3070 ; P1.1 825,2430 825,2352.57 842.57,2335 ; v1(965,3420) 245,3420 187.43,3362.43 187.43,3087.57 205,3070 270,3070 ; v1@1460,2440 1460,2355.45 1442.43,2337.87 948.09,2337.87 945.22,2335 842.57,2335 ; R3.1 2099.65,2745 2117.22,2727.43 2117.22,2640 ; R4.1 2115.44,2475 2117.22,2473.22 ; C31.2@2038.56,2306.44 2117.22,2306.44 ; v1(2395,1540) 2395,1844.6 2400,1849.6 2400,1880 2370,1910 v1(2120,1910) 2120,2303.66 2117.22,2306.44 ; nRF24.1 2490,2640 2405,2640 C30.2 2395,2640 2117.22,2640 ; 270,3070 665,3070 ; 665,3070 665,2352.57 682.57,2335 842.57,2335 ; 2117.22,2306.44 2117.22,2473.22 ; 2117.22,2473.22 2117.22,2640
VCC_5V: A1.2 A1.4 A2.3 C16.2 C17.2 C18.2 C19.2 | length 872.5
  Top Layer w40: A1.2 A1.4 1647.5,1115 1682.5,1080 C16.2 C17.2 C18.2 C19.2 2087.72,1080 2143.27,1024.45 A2.3
VCC_12V: A1.3 C14.2 C15.2 C22.2 C24.2 D5.2 VR1.1 VR2.1 | length 4098.2
  Top Layer w10: A1.3@1307.72,1025 1308.27,1024.45 A1.3
  Top Layer w60: v1(270,1490) 274.57,1494.57 403.9,1494.57 C22.2 ; 395,1250 C22.2@395,1494.57 ; 695,200 705,190 ; v1(1015,1080) C14.2 C15.2 1260,1025 A1.3@1307.72,1025 ; C24.2 1544.33,359.33 1545,360
  Top Layer w100: D5.2 523.31,198.31 693.31,198.31 695,200 1210,200 1285,275 C24.2 ; v1(705,110) 705,190
  Bottom Layer w100: v1(270,1490) 675,1490 705,1460 705,1021.42 ; v1(705,110) 705,1021.42 ; v1(1015,1080) 763.58,1080 705,1021.42
pads on no net: 1.5 H1.1 H2.1 H3.1 H4.1 IC1.5 IC1.6 IC1.7 IC1.8 Micro-USB.4 Micro-USB.MH1 Micro-USB.MH2 nRF24.5 P6.2 P7.2 U1.2 U1.3 U1.4 U1.10 U1.11 U1.14 U1.15 U1.21 U1.22 U1.32 U1.33 U1.38 U1.39 U2.1 U2.2 U2.10 U2.12 U2.13 U2.14 U2.15 U2.16 U2.17 U2.18 U2.19 U2.20 U2.21 U2.22 U2.23 U2.24 U2.27 U2.28 Y1.2 Y1.4

## Polygon pours and split planes (outlines as drawn)
no net on Keep-Out Layer (none): 0,0 2750,0 2750,3480 0,3480
GND on Bottom Layer (solid, remove dead copper, pour order 3): 0,0 2750,0 2750,3480 0,3480
GND on Top Layer (solid, remove dead copper, pour order 2): 0,0 2750,0 2750,3480 0,3480

## Keep-outs
Keep-Out Layer:
  lines w10: 3875,-195 3885,-185 ; 0,0 0,3480 2750,3480 2750,0 0,0

## Other copper
Top Layer:
  pour cut-out: 1405,1840 1300,1735 1245,1790 1245,1795 1240,1795 1170,1865 1090,1865 980,1755 980,1695 1235,1440 1305,1440 1415,1550 1415,1605 1375,1665 1355,1690 1340,1705 1435,1800 1440,1800 1440,1805
Bottom Layer:
  pour cut-out: 1405,1840 1300,1735 1170,1865 1090,1865 980,1755 980,1695 1235,1440 1305,1440 1415,1550 1410,1555 1410,1650 1405,1650 1345,1710 1440,1805

## Silkscreen, mask and mechanical layers (free items; w line width, h text height)
Top Overlay:
  lines w10: 360,2260 360,2650 250,2650 250,2625 250,2260 375,2260
  text "VCC" at 370,2875 h30
  text "GND" at 365,2785 h30
  text "SCL" at 375,2685 h30
  text "DIO" at 265,2585 h30
  text "SDA" at 375,2580 h30
  text "MPU9250" at 610,2550 h30 r90
  text "BMP180" at 2020,2500 h30 r90
  text "GND" at 265,2485 h30
  text "CLK" at 265,2380 h30
  text "3V3" at 265,2295 h30
  text "GND" at 2365,2180 h25
  text "PWM" at 260,2160 h25
  text "VCC" at 2370,2085 h25
  text "VCC" at 265,2065 h25
  text "PWM" at 2365,1985 h25
  text "GND" at 260,1960 h25
  text "PWM" at 260,1845 h25
  text "GND" at 2385,1820 h25
  text "VCC" at 260,1740 h25
  text "VCC" at 2385,1720 h25
  text "GND" at 260,1635 h25
  text "PWM" at 2390,1610 h25

## Text inside footprints (layer, text, board x,y; h text height)
1: Top Overlay "VCC" at 1720,2340 h30; Top Overlay "DRDY" at 1695,2740 h30; Top Overlay "SDA" at 1715,2640 h30; Top Overlay "GND" at 1715,2435 h30; Top Overlay "SCL" at 1725,2530 h30
C23: Top Overlay "+" at 440.2,614.68 h30 r180
C25: Top Overlay "+" at 2195.31,305.2 h30 r270
Micro-USB: Mechanical 2 "PCB Edge" at 2754.92,2943.82 h30 r90